# Altium PCB TwoFoot_PCB_m4T1Top2.PcbDoc (part 2 of 9) (continued)
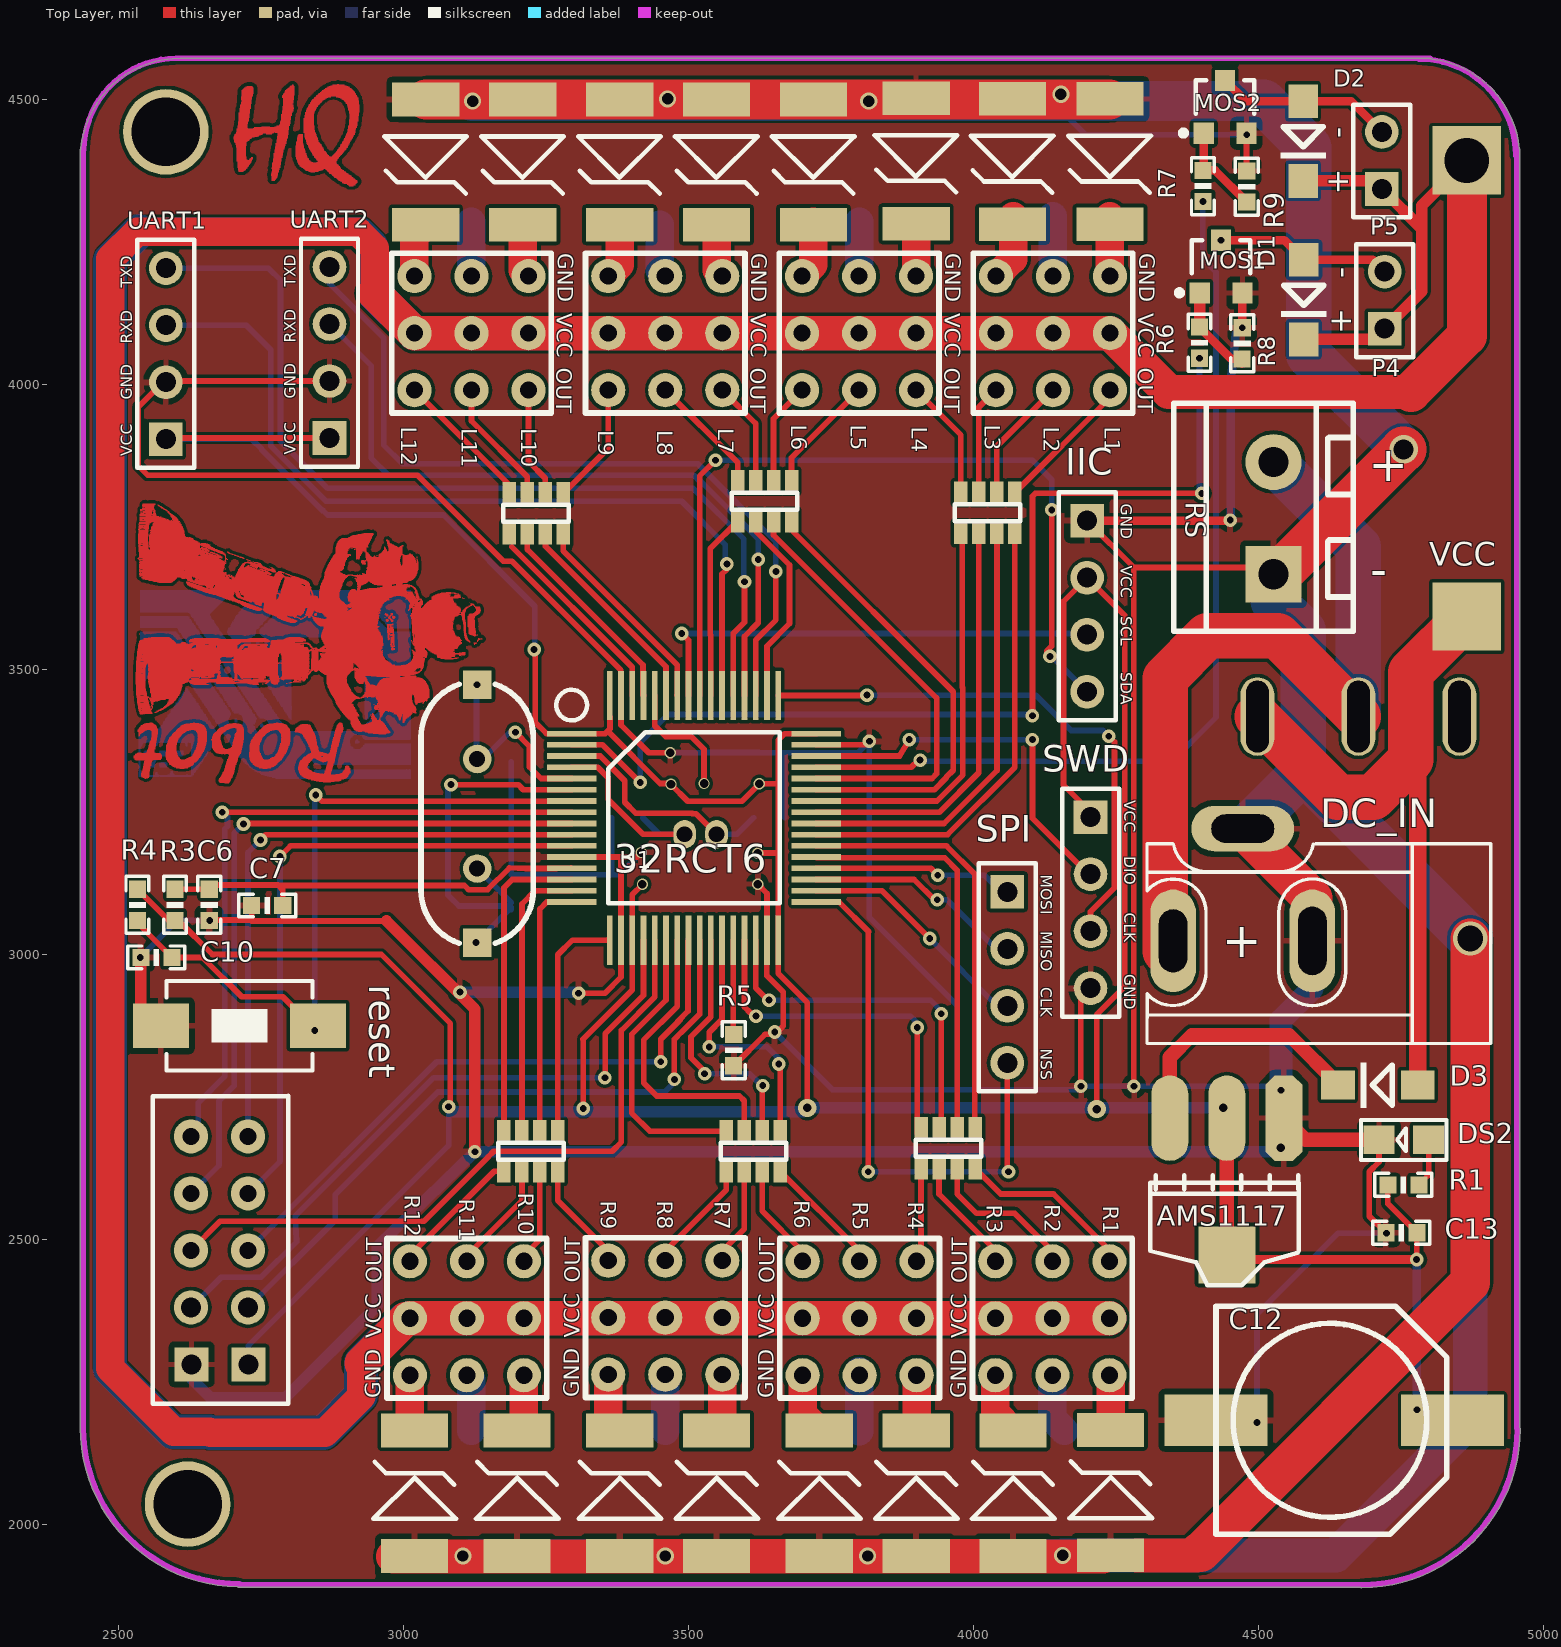
[diagram p0: Top Layer view]
## Nets (pads, with @x,y where several pads share a name; then routed paths per layer and width w, separated by ;. In a path a pad name is that pad's centre, name@x,y a point inside that pad or via, vN(x,y) a via of type N, cw(c..) or ccw(c..) an arc to the next point about the centre after c; other vN are vias at no path point) (continued)
; 2544,3500.6 2544,3509 ; 2544,3510.2 2544,3513.2 ; 2544,3515.6 2544,3519.8 ; 2544,3521 2544,3525.2 ; 2544,3526.4 2544,3530.6 ; 2544,3531.8 2544,3533 ; 2544,3534.2 2544,3537.8 ; 2544,3539 2544,3541.4 ; 2544,3542 2544,3546.8 ; 2544,3547.4 2544,3551.6 ; 2544,3663.2 2544,3666.2 ; 2544,3669.2 2544,3671.6 ; 2544,3675.2 2544,3680.6 ; 2544,3684.2 2544,3686 ; 2544,3686.6 2544,3687.2 ; 2544,3688.4 2544,3691.4 ; 2544,3695.6 2544,3697.4 ; 2544,3698.6 2544,3699.2 ; 2544,3700.4 2544,3701 ; 2544,3705.8 2544,3710 ; 2544,3711.2 2544,3713.6 ; 2544,3714.8 2544,3716.6 ; 2544,3718.4 2544,3719.6 ; 2544,3721.4 2544,3723.2 ; 2544,3724.4 2544,3726.8 ; 2544,3728 2544,3729.8 ; 2544,3731 2544,3733.4 ; 2544,3734.6 2544,3737 ; 2544,3738.2 2544,3744.2 ; 2544,3746 2544,3747.2 ; 2544,3748.4 2544,3750.2 ; 2544,3751.4 2544,3753.2 ; 2544,3755 2544,3758.6 ; 2544,3760.4 2544,3762.8 ; 2544,3765.2 2544,3767.6 ; 2544,3769.4 2544,3770 ; 2544,3770.6 2544,3775.4 ; 2544,3777.2 2544,3777.8 ; 2544,3779.6 2544,3782 ; 2544,3783.2 2544,3784.4 ; 2544,3785 2544,3789.8 ; 2544.6,3423.2 2544.6,3425 ; 2544.6,3428.6 2544.6,3431 ; 2544.6,3434.6 2544.6,3435.8 ; 2544.6,3440.6 2544.6,3441.8 ; 2544.6,3443.6 2544.6,3444.2 ; 2544.6,3444.8 2544.6,3447.2 ; 2544.6,3450.2 2544.6,3453.2 ; 2544.6,3454.4 2544.6,3455 ; 2544.6,3455.6 2544.6,3458 ; 2544.6,3462.2 2544.6,3463.4 ; 2544.6,3466.4 2544.6,3469.4 ; 2544.6,3471.8 2544.6,3473 ; 2544.6,3473.6 2544.6,3474.8 ; 2544.6,3477.2 2544.6,3479.6 ; 2544.6,3482.6 2544.6,3485.6 ; 2544.6,3488 2544.6,3490.4 ; 2544.6,3493.4 2544.6,3495.2 ; 2544.6,3498.8 2544.6,3509 ; 2544.6,3510.2 2544.6,3513.2 ; 2544.6,3515.6 2544.6,3516.2 ; 2544.6,3516.8 2544.6,3519.8 ; 2544.6,3523.4 2544.6,3525.2 ; 2544.6,3528.8 2544.6,3530.6 ; 2544.6,3532.4 2544.6,3533 ; 2544.6,3533.6 2544.6,3534.8 ; 2544.6,3535.4 2544.6,3536 ; 2544.6,3539 2544.6,3540.8 ; 2544.6,3545.6 2544.6,3546.2 ; 2544.6,3551 2544.6,3552.2 ; 2544.6,3658.4 2544.6,3660.8 ; 2544.6,3661.4 2544.6,3679.4 ; 2544.6,3680 2544.6,3681.8 ; 2544.6,3682.4 2544.6,3687.8 ; 2544.6,3688.4 2544.6,3692 ; 2544.6,3692.6 2544.6,3698 ; 2544.6,3698.6 2544.6,3702.8 ; 2544.6,3704 2544.6,3710.6 ; 2544.6,3711.2 2544.6,3713.6 ; 2544.6,3714.2 2544.6,3717.2 ; 2544.6,3717.8 2544.6,3720.2 ; 2544.6,3720.8 2544.6,3726.8 ; 2544.6,3727.4 2544.6,3729.8 ; 2544.6,3730.4 2544.6,3744.2 ; 2544.6,3746 2544.6,3746.6 ; 2544.6,3748.4 2544.6,3749.6 ; 2544.6,3752.6 2544.6,3753.2 ; 2544.6,3755 2544.6,3758.6 ; 2544.6,3760.4 2544.6,3762.8 ; 2544.6,3765.2 2544.6,3765.8 ; 2544.6,3766.4 2544.6,3767.6 ; 2544.6,3769.4 2544.6,3775.4 ; 2544.6,3777.2 2544.6,3777.8 ; 2544.6,3779.6 2544.6,3780.8 ; 2544.6,3781.4 2544.6,3782 ; 2544.6,3782.6 2544.6,3783.8 ; 2544.6,3784.4 2544.6,3790.4 ; 2545.2,3422 2545.2,3426.2 ; 2545.2,3428 2545.2,3429.8 ; 2545.2,3430.4 2545.2,3432.2 ; 2545.2,3434 2545.2,3435.8 ; 2545.2,3440.6 2545.2,3441.8 ; 2545.2,3443 2545.2,3447.2 ; 2545.2,3449 2545.2,3453.2 ; 2545.2,3455 2545.2,3458.6 ; 2545.2,3461 2545.2,3462.2 ; 2545.2,3462.8 2545.2,3464 ; 2545.2,3466.4 2545.2,3469.4 ; 2545.2,3471.2 2545.2,3473 ; 2545.2,3473.6 2545.2,3474.8 ; 2545.2,3476 2545.2,3479.6 ; 2545.2,3481.4 2545.2,3483.8 ; 2545.2,3484.4 2545.2,3485.6 ; 2545.2,3487.4 2545.2,3491 ; 2545.2,3492.8 2545.2,3495.8 ; 2545.2,3498.2 2545.2,3509 ; 2545.2,3510.2 2545.2,3512.6 ; 2545.2,3513.2 2545.2,3513.8 ; 2545.2,3515.6 2545.2,3518.6 ; 2545.2,3519.2 2545.2,3521 ; 2545.2,3522.8 2545.2,3524 ; 2545.2,3524.6 2545.2,3526.4 ; 2545.2,3528.2 2545.2,3529.4 ; 2545.2,3530 2545.2,3531.2 ; 2545.2,3533 2545.2,3536 ; 2545.2,3539 2545.2,3540.8 ; 2545.2,3545.6 2545.2,3546.2 ; 2545.2,3551 2545.2,3552.2 ; 2545.2,3658.4 2545.2,3666.2 ; 2545.2,3666.8 2545.2,3683 ; 2545.2,3683.6 2545.2,3698 ; 2545.2,3698.6 2545.2,3699.2 ; 2545.2,3699.8 2545.2,3722 ; 2545.2,3722.6 2545.2,3725 ; 2545.2,3725.6 2545.2,3740.6 ; 2545.2,3741.2 2545.2,3744.2 ; 2545.2,3746 2545.2,3746.6 ; 2545.2,3749 2545.2,3749.6 ; 2545.2,3752 2545.2,3753.2 ; 2545.2,3755 2545.2,3758.6 ; 2545.2,3760.4 2545.2,3761 ; 2545.2,3761.6 2545.2,3762.2 ; 2545.2,3764 2545.2,3765.2 ; 2545.2,3765.8 2545.2,3766.4 ; 2545.2,3767 2545.2,3767.6 ; 2545.2,3769.4 2545.2,3777.8 ; 2545.2,3779.6 2545.2,3780.8 ; 2545.2,3782 2545.2,3783.2 ; 2545.2,3784.4 2545.2,3791 ; 2545.8,3421.4 2545.8,3431 ; 2545.8,3431.6 2545.8,3449 ; 2545.8,3449.6 2545.8,3454.4 ; 2545.8,3455 2545.8,3470 ; 2545.8,3470.6 2545.8,3481.4 ; 2545.8,3482 2545.8,3486.8 ; 2545.8,3487.4 2545.8,3500 ; 2545.8,3500.6 2545.8,3503 ; 2545.8,3503.6 2545.8,3554.6 ; 2545.8,3659 2545.8,3660.8 ; 2545.8,3661.4 2545.8,3663.2 ; 2545.8,3663.8 2545.8,3669.2 ; 2545.8,3669.8 2545.8,3671.6 ; 2545.8,3672.2 2545.8,3687.2 ; 2545.8,3689 2545.8,3697.4 ; 2545.8,3698.6 2545.8,3711.2 ; 2545.8,3711.8 2545.8,3722.6 ; 2545.8,3723.2 2545.8,3723.8 ; 2545.8,3724.4 2545.8,3726.2 ; 2545.8,3727.4 2545.8,3733.4 ; 2545.8,3734 2545.8,3734.6 ; 2545.8,3735.2 2545.8,3740.6 ; 2545.8,3741.2 2545.8,3744.2 ; 2545.8,3746 2545.8,3746.6 ; 2545.8,3747.8 2545.8,3749.6 ; 2545.8,3751.4 2545.8,3753.2 ; 2545.8,3755 2545.8,3758 ; 2545.8,3761 2545.8,3762.2 ; 2545.8,3763.4 2545.8,3765.2 ; 2545.8,3766.4 2545.8,3768.2 ; 2545.8,3769.4 2545.8,3770 ; 2545.8,3770.6 2545.8,3773.6 ; 2545.8,3779.6 2545.8,3780.8 ; 2545.8,3782 2545.8,3783.2 ; 2545.8,3784.4 2545.8,3791 ; 2546.4,3422 2546.4,3554.6 ; 2546.4,3658.4 2546.4,3696.8 ; 2546.4,3698 2546.4,3744.2 ; 2546.4,3746 2546.4,3746.6 ; 2546.4,3747.8 2546.4,3749 ; 2546.4,3751.4 2546.4,3753.2 ; 2546.4,3755 2546.4,3758.6 ; 2546.4,3760.4 2546.4,3761.6 ; 2546.4,3766.4 2546.4,3767.6 ; 2546.4,3769.4 2546.4,3773.6 ; 2546.4,3774.8 2546.4,3777.2 ; 2546.4,3779.6 2546.4,3780.8 ; 2546.4,3782 2546.4,3783.2 ; 2546.4,3784.4 2546.4,3791 ; 2547,3422 2547,3482.6 ; 2547,3483.8 2547,3488.6 ; 2547,3489.2 2547,3550.4 ; 2547,3551 2547,3554 ; 2547,3658.4 2547,3744.2 ; 2547,3746 2547,3746.6 ; 2547,3747.8 2547,3748.4 ; 2547,3749 2547,3749.6 ; 2547,3750.8 2547,3753.2 ; 2547,3755 2547,3758.6 ; 2547,3760.4 2547,3761.6 ; 2547,3762.2 2547,3763.4 ; 2547,3764 2547,3764.6 ; 2547,3766.4 2547,3767.6 ; 2547,3769.4 2547,3773.6 ; 2547,3774.8 2547,3776 ; 2547,3777.2 2547,3777.8 ; 2547,3779.6 2547,3780.8 ; 2547,3782 2547,3783.2 ; 2547,3784.4 2547,3791 ; 2547.6,3422 2547.6,3554.6 ; 2547.6,3658.4 2547.6,3744.2 ; 2547.6,3746 2547.6,3753.2 ; 2547.6,3755.6 2547.6,3758.6 ; 2547.6,3760.4 2547.6,3764.6 ; 2547.6,3765.2 2547.6,3767.6 ; 2547.6,3769.4 2547.6,3773.6 ; 2547.6,3774.8 2547.6,3777.8 ; 2547.6,3779.6 2547.6,3780.8 ; 2547.6,3785 2547.6,3791 ; 2548.2,3422 2548.2,3471.8 ; 2548.2,3474.2 2548.2,3474.8 ; 2548.2,3496.4 2548.2,3497 ; 2548.2,3498.2 2548.2,3554.6 ; 2548.2,3658.4 2548.2,3660.2 ; 2548.2,3660.8 2548.2,3744.2 ; 2548.2,3752.6 2548.2,3753.2 ; 2548.2,3755 2548.2,3758.6 ; 2548.2,3760.4 2548.2,3763.4 ; 2548.2,3765.8 2548.2,3768.2 ; 2548.2,3769.4 2548.2,3773.6 ; 2548.2,3777.2 2548.2,3777.8 ; 2548.2,3779.6 2548.2,3780.8 ; 2548.2,3782 2548.2,3783.2 ; 2548.2,3784.4 2548.2,3791 ; 2548.8,3422 2548.8,3464 ; 2548.8,3464.6 2548.8,3465.8 ; 2548.8,3504.2 2548.8,3555.2 ; 2548.8,3657.8 2548.8,3744.8 ; 2548.8,3747.2 2548.8,3749.6 ; 2548.8,3750.2 2548.8,3752 ; 2548.8,3752.6 2548.8,3753.2 ; 2548.8,3755 2548.8,3758.6 ; 2548.8,3762.8 2548.8,3764.6 ; 2548.8,3765.2 2548.8,3768.2 ; 2548.8,3769.4 2548.8,3772.4 ; 2548.8,3773 2548.8,3773.6 ; 2548.8,3774.8 2548.8,3780.2 ; 2548.8,3780.8 2548.8,3791 ; 2549.4,3422 2549.4,3462.2 ; 2549.4,3507.8 2549.4,3555.2 ; 2549.4,3657.8 2549.4,3770.6 ; 2549.4,3771.2 2549.4,3775.4 ; 2549.4,3776 2549.4,3777.8 ; 2549.4,3778.4 2549.4,3790.4 ; 2550,3422 2550,3459.2 ; 2550,3509.6 2550,3555.2 ; 2550,3657.8 2550,3743 ; 2550,3743.6 2550,3756.8 ; 2550,3757.4 2550,3790.4 ; 2550.6,3422.6 2550.6,3456.2 ; 2550.6,3512 2550.6,3555.2 ; 2550.6,3657.8 2550.6,3743.6 ; 2550.6,3744.2 2550.6,3744.8 ; 2550.6,3745.4 2550.6,3746.6 ; 2550.6,3747.2 2550.6,3790.4 ; 2551.2,3422.6 2551.2,3453.2 ; 2551.2,3512.6 2551.2,3555.2 ; 2551.2,3657.2 2551.2,3790.4 ; 2551.8,3422.6 2551.8,3450.2 ; 2551.8,3450.8 2551.8,3452.6 ; 2551.8,3512 2551.8,3555.2 ; 2551.8,3657.2 2551.8,3790.4 ; 2552.4,3422.6 2552.4,3449 ; 2552.4,3510.8 2552.4,3555.2 ; 2552.4,3657.2 2552.4,3790.4 ; 2553,3422.6 2553,3445.4 ; 2553,3450.2 2553,3452 ; 2553,3483.8 2553,3488.6 ; 2553,3509 2553,3555.2 ; 2553,3657.2 2553,3717.2 ; 2553,3740.6 2553,3790.4 ; 2553.6,3422.6 2553.6,3443 ; 2553.6,3450.2 2553.6,3452 ; 2553.6,3488.6 2553.6,3494 ; 2553.6,3499.4 2553.6,3501.2 ; 2553.6,3507.2 2553.6,3555.8 ; 2553.6,3656.6 2553.6,3710.6 ; 2553.6,3746.6 2553.6,3790.4 ; 2554.2,3422.6 2554.2,3441.8 ; 2554.2,3444.8 2554.2,3445.4 ; 2554.2,3450.2 2554.2,3450.8 ; 2554.2,3477.2 2554.2,3479 ; 2554.2,3481.4 2554.2,3483.8 ; 2554.2,3488.6 2554.2,3491 ; 2554.2,3493.4 2554.2,3494.6 ; 2554.2,3498.2 2554.2,3501.8 ; 2554.2,3504.2 2554.2,3555.8 ; 2554.2,3656.6 2554.2,3707.6 ; 2554.2,3751.4 2554.2,3790.4 ; 2554.8,3422.6 2554.8,3438.8 ; 2554.8,3474.2 2554.8,3497 ; 2554.8,3498.2 2554.8,3503 ; 2554.8,3503.6 2554.8,3555.8 ; 2554.8,3656.6 2554.8,3704.6 ; 2554.8,3716.6 2554.8,3723.8 ; 2554.8,3733.4 2554.8,3738.2 ; 2554.8,3753.8 2554.8,3790.4 ; 2555.4,3422.6 2555.4,3436.4 ; 2555.4,3443 2555.4,3443.6 ; 2555.4,3450.2 2555.4,3450.8 ; 2555.4,3474.2 2555.4,3497.6 ; 2555.4,3498.2 2555.4,3500.6 ; 2555.4,3501.2 2555.4,3555.8 ; 2555.4,3657.2 2555.4,3701.6 ; 2555.4,3704.6 2555.4,3705.2 ; 2555.4,3707 2555.4,3708.2 ; 2555.4,3709.4 2555.4,3710 ; 2555.4,3728.6 2555.4,3733.4 ; 2555.4,3743 2555.4,3743.6 ; 2555.4,3757.4 2555.4,3790.4 ; 2556,3422.6 2556,3435.2 ; 2556,3447.8 2556,3450.8 ; 2556,3468.8 2556,3469.4 ; 2556,3470.6 2556,3501.8 ; 2556,3503 2556,3555.8 ; 2556,3656 2556,3709.4 ; 2556,3714.2 2556,3716.6 ; 2556,3718.4 2556,3719 ; 2556,3720.8 2556,3727.4 ; 2556,3729.8 2556,3735.2 ; 2556,3756.8 2556,3790.4 ; 2556.6,3422.6 2556.6,3433.4 ; 2556.6,3447.8 2556.6,3450.2 ; 2556.6,3467.6 2556.6,3555.8 ; 2556.6,3656 2556.6,3709.4 ; 2556.6,3714.2 2556.6,3716.6 ; 2556.6,3717.8 2556.6,3732.2 ; 2556.6,3733.4 2556.6,3735.8 ; 2556.6,3756.8 2556.6,3790.4 ; 2557.2,3422.6 2557.2,3431 ; 2557.2,3446.6 2557.2,3450.2 ; 2557.2,3459.2 2557.2,3459.8 ; 2557.2,3464.6 2557.2,3555.8 ; 2557.2,3656 2557.2,3704.6 ; 2557.2,3709.4 2557.2,3717.2 ; 2557.2,3717.8 2557.2,3732.2 ; 2557.2,3733.4 2557.2,3738.2 ; 2557.2,3757.4 2557.2,3790.4 ; 2557.8,3422.6 2557.8,3429.2 ; 2557.8,3445.4 2557.8,3450.2 ; 2557.8,3459.2 2557.8,3555.8 ; 2557.8,3656 2557.8,3738.2 ; 2557.8,3740 2557.8,3741.2 ; 2557.8,3743 2557.8,3744.2 ; 2557.8,3758 2557.8,3767 ; 2557.8,3767.6 2557.8,3790.4 ; 2558.4,3422.6 2558.4,3428 ; 2558.4,3434.6 2558.4,3435.8 ; 2558.4,3442.4 2558.4,3450.2 ; 2558.4,3458.6 2558.4,3555.8 ; 2558.4,3655.4 2558.4,3738.2 ; 2558.4,3739.4 2558.4,3741.8 ; 2558.4,3743 2558.4,3744.8 ; 2558.4,3758.6 2558.4,3765.8 ; 2558.4,3768.8 2558.4,3790.4 ; 2559,3422.6 2559,3425 ; 2559,3429.2 2559,3431 ; 2559,3435.8 2559,3437 ; 2559,3439.4 2559,3440.6 ; 2559,3441.8 2559,3450.2 ; 2559,3455 2559,3555.8 ; 2559,3655.4 2559,3742.4 ; 2559,3743 2559,3745.4 ; 2559,3747.2 2559,3747.8 ; 2559,3758.6 2559,3765.8 ; 2559,3767 2559,3770 ; 2559,3771.8 2559,3790.4 ; 2559.6,3422.6 2559.6,3423.8 ; 2559.6,3430.4 2559.6,3431 ; 2559.6,3435.8 2559.6,3437.6 ; 2559.6,3438.8 2559.6,3440.6 ; 2559.6,3441.2 2559.6,3450.2 ; 2559.6,3452.6 2559.6,3556.4 ; 2559.6,3655.4 2559.6,3747.8 ; 2559.6,3749 2559.6,3750.2 ; 2559.6,3758.6 2559.6,3770 ; 2559.6,3771.8 2559.6,3772.4 ; 2559.6,3774.2 2559.6,3790.4 ; 2560.2,3422.6 2560.2,3423.8 ; 2560.2,3431 2560.2,3432.8 ; 2560.2,3435.8 2560.2,3437.6 ; 2560.2,3438.8 2560.2,3440.6 ; 2560.2,3441.2 2560.2,3556.4 ; 2560.2,3655.4 2560.2,3747.8 ; 2560.2,3748.4 2560.2,3750.8 ; 2560.2,3758.6 2560.2,3770 ; 2560.2,3771.8 2560.2,3772.4 ; 2560.2,3776.6 2560.2,3790.4 ; 2560.8,3432.8 2560.8,3435.8 ; 2560.8,3438.2 2560.8,3556.4 ; 2560.8,3655.4 2560.8,3751.4 ; 2560.8,3759.2 2560.8,3770 ; 2560.8,3779 2560.8,3790.4 ; 2561.4,3438.2 2561.4,3556.4 ; 2561.4,3654.8 2561.4,3751.4 ; 2561.4,3759.8 2561.4,3770.6 ; 2561.4,3771.8 2561.4,3772.4 ; 2561.4,3779.6 2561.4,3790.4 ; 2562,3441.2 2562,3556.4 ; 2562,3654.8 2562,3755.6 ; 2562,3759.8 2562,3773.6 ; 2562,3780.8 2562,3781.4 ; 2562,3782 2562,3790.4 ; 2562.6,3443.6 2562.6,3556.4 ; 2562.6,3654.8 2562.6,3756.2 ; 2562.6,3759.2 2562.6,3775.4 ; 2562.6,3776.6 2562.6,3777.2 ; 2562.6,3780.8 2562.6,3781.4 ; 2562.6,3783.2 2562.6,3790.4 ; 2563.2,3444.2 2563.2,3556.4 ; 2563.2,3654.8 2563.2,3778.4 ; 2563.2,3780.2 2563.2,3781.4 ; 2563.2,3786.2 2563.2,3790.4 ; 2563.8,3443.6 2563.8,3556.4 ; 2563.8,3654.2 2563.8,3782 ; 2563.8,3788 2563.8,3790.4 ; 2564.4,3443.6 2564.4,3556.4 ; 2564.4,3654.2 2564.4,3780.2 ; 2564.4,3789.2 2564.4,3790.4 ; 2565,3423.8 2565,3424.4 ; 2565,3445.4 2565,3556.4 ; 2565,3654.2 2565,3779.6 ; 2565,3789.2 2565,3790.4 ; 2565.6,3424.4 2565.6,3425 ; 2565.6,3444.2 2565.6,3557 ; 2565.6,3654.2 2565.6,3657.8 ; 2565.6,3658.4 2565.6,3775.4 ; 2565.6,3776.6 2565.6,3777.8 ; 2566.2,3424.4 2566.2,3425 ; 2566.2,3444.2 2566.2,3557 ; 2566.2,3654.2 2566.2,3774.2 ; 2566.8,3424.4 2566.8,3425.6 ; 2566.8,3444.2 2566.8,3557 ; 2566.8,3653.6 2566.8,3771.8 ; 2567.4,3424.4 2567.4,3425.6 ; 2567.4,3444.2 2567.4,3557 ; 2567.4,3653.6 2567.4,3768.2 ; 2568,3425 2568,3426.2 ; 2568,3444.2 2568,3557 ; 2568,3653.6 2568,3768.2 ; 2568.6,3425 2568.6,3426.8 ; 2568.6,3444.2 2568.6,3557 ; 2568.6,3653.6 2568.6,3768.8 ; 2569.2,3425.6 2569.2,3427.4 ; 2569.2,3444.2 2569.2,3557 ; 2569.2,3653.6 2569.2,3768.2 ; 2569.8,3425.6 2569.8,3427.4 ; 2569.8,3444.2 2569.8,3445.4 ; 2569.8,3446 2569.8,3557 ; 2569.8,3653 2569.8,3657.8 ; 2569.8,3658.4 2569.8,3768.2 ; 2569.8,3788.6 2569.8,3789.2 ; 2570.4,3426.2 2570.4,3428 ; 2570.4,3445.4 2570.4,3551.6 ; 2570.4,3552.8 2570.4,3557 ; 2570.4,3653 2570.4,3768.8 ; 2570.4,3788 2570.4,3788.6 ; 2571,3426.2 2571,3428 ; 2571,3444.8 2571,3557 ; 2571,3653 2571,3768.8 ; 2571.6,3426.8 2571.6,3428.6 ; 2571.6,3444.8 2571.6,3445.4 ; 2571.6,3446 2571.6,3557 ; 2571.6,3653 2571.6,3768.8 ; 2571.6,3787.4 2571.6,3788 ; 2572.2,3427.4 2572.2,3429.2 ; 2572.2,3444.8 2572.2,3445.4 ; 2572.2,3446 2572.2,3557 ; 2572.2,3652.4 2572.2,3768.2 ; 2572.2,3786.8 2572.2,3788 ; 2572.8,3427.4 2572.8,3429.2 ; 2572.8,3446 2572.8,3557 ; 2572.8,3652.4 2572.8,3767 ; 2572.8,3786.2 2572.8,3787.4 ; 2573.4,3427.4 2573.4,3429.2 ; 2573.4,3446 2573.4,3557 ; 2573.4,3652.4 2573.4,3766.4 ; 2573.4,3786.2 2573.4,3786.8 ; 2574,3428 2574,3429.8 ; 2574,3446 2574,3557 ; 2574,3652.4 2574,3766.4 ; 2574,3785.6 2574,3786.8 ; 2574.6,3428 2574.6,3429.8 ; 2574.6,3446.6 2574.6,3557 ; 2574.6,3652.4 2574.6,3766.4 ; 2574.6,3785 2574.6,3786.8 ; 2575.2,3428 2575.2,3430.4 ; 2575.2,3446.6 2575.2,3557 ; 2575.2,3652.4 2575.2,3766.4 ; 2575.2,3767 2575.2,3767.6 ; 2575.2,3784.4 2575.2,3786.2 ; 2575.8,3428.6 2575.8,3431 ; 2575.8,3446.6 2575.8,3557 ; 2575.8,3652.4 2575.8,3659.6 ; 2575.8,3660.2 2575.8,3766.4 ; 2575.8,3767 2575.8,3767.6 ; 2575.8,3784.4 2575.8,3786.2 ; 2576.4,3428.6 2576.4,3431 ; 2576.4,3446.6 2576.4,3557 ; 2576.4,3652.4 2576.4,3766.4 ; 2576.4,3783.8 2576.4,3785.6 ; 2577,3429.2 2577,3431 ; 2577,3446.6 2577,3557 ; 2577,3652.4 2577,3657.2 ; 2577,3657.8 2577,3766.4 ; 2577,3783.2 2577,3785 ; 2577.6,3429.2 2577.6,3431.6 ; 2577.6,3446.6 2577.6,3547.4 ; 2577.6,3548 2577.6,3557 ; 2577.6,3652.4 2577.6,3657.2 ; 2577.6,3657.8 2577.6,3660.8 ; 2577.6,3661.4 2577.6,3765.8 ; 2577.6,3783.2 2577.6,3784.4 ; 2578.2,3429.8 2578.2,3432.2 ; 2578.2,3446.6 2578.2,3546.8 ; 2578.2,3547.4 2578.2,3557 ; 2578.2,3652.4 2578.2,3765.8 ; 2578.2,3782.6 2578.2,3784.4 ; 2578.8,3429.8 2578.8,3432.2 ; 2578.8,3447.2 2578.8,3557 ; 2578.8,3652.4 2578.8,3656.6 ; 2578.8,3657.2 2578.8,3765.8 ; 2578.8,3782.6 2578.8,3783.8 ; 2579.4,3430.4 2579.4,3432.2 ; 2579.4,3447.2 2579.4,3557 ; 2579.4,3652.4 2579.4,3765.8 ; 2579.4,3782 2579.4,3783.8 ; 2580,3430.4 2580,3432.8 ; 2580,3446.6 2580,3557 ; 2580,3652.4 2580,3662.6 ; 2580,3663.2 2580,3765.2 ; 2580,3782 2580,3783.2 ; 2580.6,3431 2580.6,3433.4 ; 2580.6,3447.2 2580.6,3557 ; 2580.6,3652.4 2580.6,3663.2 ; 2580.6,3663.8 2580.6,3765.2 ; 2580.6,3781.4 2580.6,3782.6 ; 2581.2,3431 2581.2,3432.2 ; 2581.2,3432.8 2581.2,3434 ; 2581.2,3447.8 2581.2,3557 ; 2581.2,3652.4 2581.2,3764.6 ; 2581.2,3780.8 2581.2,3782 ; 2581.8,3431.6 2581.8,3434.6 ; 2581.8,3447.8 2581.8,3557 ; 2581.8,3652.4 2581.8,3663.8 ; 2581.8,3664.4 2581.8,3765.2 ; 2581.8,3780.8 2581.8,3782 ; 2582.4,3432.2 2582.4,3435.2 ; 2582.4,3447.2 2582.4,3556.4 ; 2582.4,3652.4 2582.4,3764.6 ; 2582.4,3780.2 2582.4,3781.4 ; 2583,3432.2 2583,3433.4 ; 2583,3434 2583,3435.8 ; 2583,3447.2 2583,3556.4 ; 2583,3652.4 2583,3764 ; 2583,3780.2 2583,3781.4 ; 2583.6,3432.8 2583.6,3434 ; 2583.6,3434.6 2583.6,3436.4 ; 2583.6,3447.8 2583.6,3556.4 ; 2583.6,3652.4 2583.6,3763.4 ; 2583.6,3779.6 2583.6,3780.8 ; 2584.2,3433.4 2584.2,3437 ; 2584.2,3449 2584.2,3556.4 ; 2584.2,3652.4 2584.2,3764.6 ; 2584.2,3779 2584.2,3780.8 ; 2584.8,3434 2584.8,3434.6 ; 2584.8,3435.2 2584.8,3437.6 ; 2584.8,3448.4 2584.8,3556.4 ; 2584.8,3652.4 2584.8,3763.4 ; 2584.8,3779 2584.8,3780.2 ; 2585.4,3434 2585.4,3435.2 ; 2585.4,3435.8 2585.4,3438.2 ; 2585.4,3448.4 2585.4,3556.4 ; 2585.4,3652.4 2585.4,3762.8 ; 2585.4,3778.4 2585.4,3779.6 ; 2586,3434.6 2586,3438.8 ; 2586,3449 2586,3556.4 ; 2586,3652.4 2586,3762.8 ; 2586,3777.8 2586,3779.6 ; 2586.6,3435.2 2586.6,3439.4 ; 2586.6,3449.6 2586.6,3556.4 ; 2586.6,3652.4 2586.6,3655.4 ; 2586.6,3656 2586.6,3762.8 ; 2586.6,3777.8 2586.6,3779 ; 2587.2,3435.8 2587.2,3440.6 ; 2587.2,3449.6 2587.2,3553.4 ; 2587.2,3554 2587.2,3557 ; 2587.2,3652.4 2587.2,3763.4 ; 2587.2,3777.2 2587.2,3778.4 ; 2587.8,3435.8 2587.8,3438.8 ; 2587.8,3439.4 2587.8,3441.8 ; 2587.8,3449.6 2587.8,3557 ; 2587.8,3652.4 2587.8,3763.4 ; 2587.8,3776.6 2587.8,3777.8 ; 2588.4,3435.8 2588.4,3443 ; 2588.4,3449 2588.4,3556.4 ; 2588.4,3652.4 2588.4,3762.8 ; 2588.4,3775.4 2588.4,3777.2 ; 2589,3436.4 2589,3443.6 ; 2589,3449 2589,3556.4 ; 2589,3652.4 2589,3762.2 ; 2589,3775.4 2589,3777.2 ; 2589.6,3437 2589.6,3444.8 ; 2589.6,3449.6 2589.6,3528.8 ; 2589.6,3529.4 2589.6,3531.2 ; 2589.6,3531.8 2589.6,3553.4 ; 2589.6,3554 2589.6,3556.4 ; 2589.6,3652.4 2589.6,3676.4 ; 2589.6,3677 2589.6,3761.6 ; 2589.6,3774.2 2589.6,3776.6 ; 2590.2,3437 2590.2,3446 ; 2590.2,3447.8 2590.2,3449 ; 2590.2,3450.2 2590.2,3450.8 ; 2590.2,3451.4 2590.2,3528.8 ; 2590.2,3529.4 2590.2,3556.4 ; 2590.2,3652.4 2590.2,3673.4 ; 2590.2,3674 2590.2,3674.6 ; 2590.2,3675.2 2590.2,3677.6 ; 2590.2,3678.2 2590.2,3761 ; 2590.2,3773.6 2590.2,3776 ; 2590.8,3437.6 2590.8,3447.2 ; 2590.8,3449.6 2590.8,3450.2 ; 2590.8,3451.4 2590.8,3527.6 ; 2590.8,3528.2 2590.8,3551.6 ; 2590.8,3552.2 2590.8,3555.8 ; 2590.8,3652.4 2590.8,3656 ; 2590.8,3656.6 2590.8,3675.2 ; 2590.8,3675.8 2590.8,3761 ; 2590.8,3773 2590.8,3773.6 ; 2590.8,3774.2 2590.8,3775.4 ; 2591.4,3438.2 2591.4,3446.6 ; 2591.4,3447.2 2591.4,3449 ; 2591.4,3450.2 2591.4,3528.8 ; 2591.4,3530 2591.4,3552.2 ; 2591.4,3552.8 2591.4,3555.2 ; 2591.4,3652.4 2591.4,3654.8 ; 2591.4,3655.4 2591.4,3656.6 ; 2591.4,3657.2 2591.4,3761 ; 2591.4,3772.4 2591.4,3774.2 ; 2592,3438.2 2592,3451.4 ; 2592,3452.6 2592,3555.2 ; 2592,3652.4 2592,3674.6 ; 2592,3675.2 2592,3761 ; 2592,3771.2 2592,3774.2 ; 2592.6,3438.8 2592.6,3552.8 ; 2592.6,3553.4 2592.6,3554.6 ; 2592.6,3652.4 2592.6,3761 ; 2592.6,3770.6 2592.6,3774.2 ; 2593.2,3439.4 2593.2,3554 ; 2593.2,3652.4 2593.2,3677 ; 2593.2,3677.6 2593.2,3761 ; 2593.2,3769.4 2593.2,3773.6 ; 2593.8,3440 2593.8,3454.4 ; 2593.8,3455 2593.8,3553.4 ; 2593.8,3652.4 2593.8,3761 ; 2593.8,3768.2 2593.8,3773 ; 2594.4,3440 2594.4,3552.8 ; 2594.4,3653 2594.4,3654.2 ; 2594.4,3654.8 2594.4,3681.2 ; 2594.4,3681.8 2594.4,3758.6 ; 2594.4,3759.8 2594.4,3761.6 ; 2594.4,3767 2594.4,3772.4 ; 2595,3440.6 2595,3548.6 ; 2595,3549.2 2595,3552.2 ; 2595,3653 2595,3680 ; 2595,3680.6 2595,3760.4 ; 2595,3765.8 2595,3772.4 ; 2595.6,3441.2 2595.6,3548 ; 2595.6,3548.6 2595.6,3551.6 ; 2595.6,3653.6 2595.6,3655.4 ; 2595.6,3656 2595.6,3680.6 ; 2595.6,3681.2 2595.6,3681.8 ; 2595.6,3682.4 2595.6,3683.6 ; 2595.6,3684.2 2595.6,3758.6 ; 2595.6,3761.6 2595.6,3762.2 ; 2595.6,3764 2595.6,3771.8 ; 2596.2,3441.8 2596.2,3551 ; 2596.2,3654.2 2596.2,3757.4 ; 2596.2,3758 2596.2,3760.4 ; 2596.2,3762.8 2596.2,3771.2 ; 2596.8,3441.8 2596.8,3548.6 ; 2596.8,3549.2 2596.8,3551 ; 2596.8,3654.8 2596.8,3684.8 ; 2596.8,3685.4 2596.8,3759.2 ; 2596.8,3761 2596.8,3770.6 ; 2597.4,3442.4 2597.4,3550.4 ; 2597.4,3655.4 2597.4,3685.4 ; 2597.4,3686 2597.4,3687.2 ; 2597.4,3687.8 2597.4,3770.6 ; 2598,3443 2598,3545.6 ; 2598,3546.2 2598,3549.8 ; 2598,3656 2598,3770 ; 2598.6,3444.2 2598.6,3549.2 ; 2598.6,3656 2598.6,3689.6 ; 2598.6,3690.8 2598.6,3770 ; 2599.2,3444.8 2599.2,3548.6 ; 2599.2,3656.6 2599.2,3658.4 ; 2599.2,3659 2599.2,3768.8 ; 2599.8,3444.8 2599.8,3545 ; 2599.8,3545.6 2599.8,3548 ; 2599.8,3657.2 2599.8,3658.4 ; 2599.8,3659.6 2599.8,3710.6 ; 2599.8,3711.8 2599.8,3768.8 ; 2600.4,3445.4 2600.4,3547.4 ; 2600.4,3657.8 2600.4,3659.6 ; 2600.4,3660.2 2600.4,3714.2 ; 2600.4,3715.4 2600.4,3768.2 ; 2601,3446.6 2601,3447.2 ; 2601,3447.8 2601,3546.8 ; 2601,3658.4 2601,3660.2 ; 2601,3660.8 2601,3662 ; 2601,3662.6 2601,3767.6 ; 2601.6,3446.6 2601.6,3447.8 ; 2601.6,3448.4 2601.6,3546.2 ; 2601.6,3659 2601.6,3660.8 ; 2601.6,3661.4 2601.6,3662.6 ; 2601.6,3663.2 2601.6,3767 ; 2602.2,3447.8 2602.2,3449 ; 2602.2,3449.6 2602.2,3545.6 ; 2602.2,3659.6 2602.2,3662.6 ; 2602.2,3663.2 2602.2,3767 ; 2602.8,3449.6 2602.8,3545 ; 2602.8,3660.2 2602.8,3765.8 ; 2603.4,3449.6 2603.4,3450.2 ; 2603.4,3451.4 2603.4,3545.6 ; 2603.4,3660.8 2603.4,3761.6 ; 2603.4,3762.2 2603.4,3765.8 ; 2604,3450.2 2604,3451.4 ; 2604,3452.6 2604,3545.6 ; 2604,3661.4 2604,3764.6 ; 2604.6,3451.4 2604.6,3545.6 ; 2604.6,3662 2604.6,3764 ; 2605.2,3452 2605.2,3545.6 ; 2605.2,3662 2605.2,3763.4 ; 2605.8,3453.8 2605.8,3455 ; 2605.8,3455.6 2605.8,3545.6 ; 2605.8,3662 2605.8,3761 ; 2605.8,3762.2 2605.8,3762.8 ; 2606.4,3453.8 2606.4,3455 ; 2606.4,3456.2 2606.4,3545.6 ; 2606.4,3662 2606.4,3760.4 ; 2607,3455 2607,3456.2 ; 2607,3457.4 2607,3545.6 ; 2607,3662 2607,3759.8 ; 2607.6,3456.8 2607.6,3458 ; 2607.6,3459.2 2607.6,3545.6 ; 2607.6,3662 2607.6,3759.2 ; 2608.2,3457.4 2608.2,3458 ; 2608.2,3459.2 2608.2,3545.6 ; 2608.2,3662 2608.2,3757.4 ; 2608.2,3759.2 2608.2,3759.8 ; 2608.8,3458.6 2608.8,3522.2 ; 2608.8,3522.8 2608.8,3545.6 ; 2608.8,3662 2608.8,3756.8 ; 2609.4,3459.8 2609.4,3471.2 ; 2609.4,3471.8 2609.4,3545.6 ; 2609.4,3662 2609.4,3756.2 ; 2610,3461.6 2610,3545.6 ; 2610,3661.4 2610,3674 ; 2610,3674.6 2610,3752 ; 2610,3752.6 2610,3755 ; 2610,3756.8 2610,3757.4 ; 2610.6,3463.4 2610.6,3545.6 ; 2610.6,3660.8 2610.6,3755 ; 2611.2,3465.2 2611.2,3546.2 ; 2611.2,3660.8 2611.2,3752 ; 2611.8,3467 2611.8,3546.8 ; 2611.8,3660.2 2611.8,3747.2 ; 2611.8,3747.8 2611.8,3751.4 ; 2611.8,3752.6 2611.8,3753.8 ; 2612.4,3470 2612.4,3546.8 ; 2612.4,3660.2 2612.4,3677.6 ; 2612.4,3678.2 2612.4,3749.6 ; 2612.4,3750.8 2612.4,3751.4 ; 2613,3473.6 2613,3547.4 ; 2613,3660.2 2613,3679.4 ; 2613,3680 2613,3751.4 ; 2613.6,3475.4 2613.6,3547.4 ; 2613.6,3659.6 2613.6,3750.2 ; 2614.2,3475.4 2614.2,3547.4 ; 2614.2,3659.6 2614.2,3735.2 ; 2614.2,3735.8 2614.2,3737 ; 2614.2,3737.6 2614.2,3747.8 ; 2614.8,3475.4 2614.8,3481.4 ; 2614.8,3482 2614.8,3493.4 ; 2614.8,3494 2614.8,3547.4 ; 2614.8,3659.6 2614.8,3746.6 ; 2615.4,3475.4 2615.4,3480.8 ; 2615.4,3537.8 2615.4,3547.4 ; 2615.4,3659 2615.4,3666.8 ; 2615.4,3669.2 2615.4,3744.8 ; 2616,3475.4 2616,3547.4 ; 2616,3659 2616,3668 ; 2616,3671.6 2616,3743 ; 2616.6,3475.4 2616.6,3547.4 ; 2616.6,3659 2616.6,3669.8 ; 2616.6,3672.2 2616.6,3672.8 ; 2616.6,3673.4 2616.6,3740 ; 2617.2,3476 2617.2,3547.4 ; 2617.2,3659.6 2617.2,3671.6 ; 2617.2,3674 2617.2,3737 ; 2617.8,3476.6 2617.8,3496.4 ; 2617.8,3497 2617.8,3533.6 ; 2617.8,3534.2 2617.8,3547.4 ; 2617.8,3659.6 2617.8,3672.2 ; 2617.8,3672.8 2617.8,3673.4 ; 2617.8,3675.8 2617.8,3733.4 ; 2618.4,3476.6 2618.4,3546.8 ; 2618.4,3660.2 2618.4,3674.6 ; 2618.4,3677.6 2618.4,3732.8 ; 2619,3476.6 2619,3546.8 ; 2619,3660.2 2619,3676.4 ; 2619,3678.8 2619,3732.8 ; 2619.6,3476.6 2619.6,3546.2 ; 2619.6,3660.2 2619.6,3678.2 ; 2619.6,3680.6 2619.6,3732.2 ; 2620.2,3477.2 2620.2,3545.6 ; 2620.2,3659.6 2620.2,3679.4 ; 2620.2,3682.4 2620.2,3732.2 ; 2620.8,3477.2 2620.8,3545 ; 2620.8,3651.8 2620.8,3653.6 ; 2620.8,3659.6 2620.8,3681.8 ; 2620.8,3683.6 2620.8,3731.6 ; 2621.4,3477.8 2621.4,3545 ; 2621.4,3650.6 2621.4,3654.2 ; 2621.4,3659 2621.4,3681.8 ; 2621.4,3682.4 2621.4,3683 ; 2621.4,3685.4 2621.4,3731.6 ; 2622,3477.8 2622,3545 ; 2622,3650 2622,3654.2 ; 2622,3657.2 2622,3684.8 ; 2622,3687.2 2622,3731.6 ; 2622.6,3478.4 2622.6,3545 ; 2622.6,3648.8 2622.6,3654.2 ; 2622.6,3656.6 2622.6,3686 ; 2622.6,3689 2622.6,3731 ; 2623.2,3478.4 2623.2,3544.4 ; 2623.2,3648.2 2623.2,3653.6 ; 2623.2,3656 2623.2,3687.8 ; 2623.2,3690.2 2623.2,3690.8 ; 2623.2,3691.4 2623.2,3731 ; 2623.8,3479 2623.8,3544.4 ; 2623.8,3648.2 2623.8,3653.6 ; 2623.8,3656 2623.8,3689.6 ; 2623.8,3692 2623.8,3731 ; 2624.4,3479.6 2624.4,3543.8 ; 2624.4,3647.6 2624.4,3653.6 ; 2624.4,3655.4 2624.4,3691.4 ; 2624.4,3693.8 2624.4,3731 ; 2625,3483.8 2625,3544.4 ; 2625,3647 2625,3653 ; 2625,3655.4 2625,3692.6 ; 2625,3695.6 2625,3731.6 ; 2625.6,3477.8 2625.6,3479.6 ; 2625.6,3485.6 2625.6,3545 ; 2625.6,3548.6 2625.6,3551 ; 2625.6,3647 2625.6,3653 ; 2625.6,3655.4 2625.6,3694.4 ; 2625.6,3696.8 2625.6,3731.6 ; 2626.2,3477.2 2626.2,3480.2 ; 2626.2,3485.6 2626.2,3545.6 ; 2626.2,3548 2626.2,3551 ; 2626.2,3646.4 2626.2,3653 ; 2626.2,3654.8 2626.2,3696.2 ; 2626.2,3698.6 2626.2,3731.6 ; 2626.8,3476.6 2626.8,3480.8 ; 2626.8,3485 2626.8,3545.6 ; 2626.8,3548 2626.8,3551.6 ; 2626.8,3645.8 2626.8,3652.4 ; 2626.8,3654.8 2626.8,3698 ; 2626.8,3700.4 2626.8,3731.6 ; 2627.4,3476 2627.4,3480.8 ; 2627.4,3485.6 2627.4,3499.4 ; 2627.4,3500 2627.4,3535.4 ; 2627.4,3536.6 2627.4,3545.6 ; 2627.4,3548 2627.4,3552.2 ; 2627.4,3645.8 2627.4,3652.4 ; 2627.4,3654.2 2627.4,3699.2 ; 2627.4,3702.2 2627.4,3731 ; 2628,3476 2628,3481.4 ; 2628,3487.4 2628,3498.2 ; 2628,3500 2628,3535.4 ; 2628,3536.6 2628,3545.6 ; 2628,3548 2628,3552.8 ; 2628,3645.8 2628,3652.4 ; 2628,3654.2 2628,3666.8 ; 2628,3667.4 2628,3701 ; 2628,3703.4 2628,3704 ; 2628,3704.6 2628,3731 ; 2628.6,3475.4 2628.6,3481.4 ; 2628.6,3488 2628.6,3497.6 ; 2628.6,3500 2628.6,3535.4 ; 2628.6,3537.2 2628.6,3546.2 ; 2628.6,3548 2628.6,3552.8 ; 2628.6,3645.2 2628.6,3651.8 ; 2628.6,3654.2 2628.6,3664.4 ; 2628.6,3666.8 2628.6,3702.8 ; 2628.6,3705.2 2628.6,3731 ; 2629.2,3475.4 2629.2,3481.4 ; 2629.2,3482.6 2629.2,3485.6 ; 2629.2,3487.4 2629.2,3497 ; 2629.2,3500 2629.2,3535.4 ; 2629.2,3538.4 2629.2,3546.2 ; 2629.2,3548 2629.2,3553.4 ; 2629.2,3645.2 2629.2,3649.4 ; 2629.2,3650 2629.2,3651.8 ; 2629.2,3653.6 2629.2,3662.6 ; 2629.2,3665 2629.2,3667.4 ; 2629.2,3668 2629.2,3704.6 ; 2629.2,3707 2629.2,3730.4 ; 2629.8,3474.8 2629.8,3481.4 ; 2629.8,3482.6 2629.8,3485.6 ; 2629.8,3487.4 2629.8,3496.4 ; 2629.8,3500 2629.8,3536 ; 2629.8,3539 2629.8,3546.2 ; 2629.8,3548 2629.8,3553.4 ; 2629.8,3644.6 2629.8,3651.8 ; 2629.8,3653.6 2629.8,3660.8 ; 2629.8,3665 2629.8,3706.4 ; 2629.8,3708.8 2629.8,3730.4 ; 2630.4,3474.8 2630.4,3481.4 ; 2630.4,3482 2630.4,3485.6 ; 2630.4,3487.4 2630.4,3496.4 ; 2630.4,3500 2630.4,3536 ; 2630.4,3539.6 2630.4,3546.2 ; 2630.4,3548 2630.4,3553.4 ; 2630.4,3644.6 2630.4,3648.8 ; 2630.4,3649.4 2630.4,3651.2 ; 2630.4,3653.6 2630.4,3659 ; 2630.4,3663.8 2630.4,3669.2 ; 2630.4,3669.8 2630.4,3707.6 ; 2630.4,3710 2630.4,3729.8 ; 2631,3474.2 2631,3475.4 ; 2631,3476 2631,3481.4 ; 2631,3482 2631,3485.6 ; 2631,3487.4 2631,3496.4 ; 2631,3500 2631,3536.6 ; 2631,3540.8 2631,3546.2 ; 2631,3548 2631,3554 ; 2631,3644 2631,3651.2 ; 2631,3653 2631,3657.2 ; 2631,3663.2 2631,3669.2 ; 2631,3670.4 2631,3709.4 ; 2631,3711.8 2631,3729.8 ; 2631.6,3474.2 2631.6,3485.6 ; 2631.6,3488 2631.6,3497 ; 2631.6,3500 2631.6,3537.2 ; 2631.6,3541.4 2631.6,3546.8 ; 2631.6,3548 2631.6,3554 ; 2631.6,3644 2631.6,3651.2 ; 2631.6,3653 2631.6,3656.6 ; 2631.6,3662.6 2631.6,3711.2 ; 2631.6,3713 2631.6,3729.2 ; 2632.2,3474.2 2632.2,3476 ; 2632.2,3476.6 2632.2,3485.6 ; 2632.2,3487.4 2632.2,3497 ; 2632.2,3499.4 2632.2,3506 ; 2632.2,3506.6 2632.2,3522.8 ; 2632.2,3523.4 2632.2,3537.2 ; 2632.2,3542 2632.2,3546.8 ; 2632.2,3548 2632.2,3554 ; 2632.2,3644 2632.2,3650.6 ; 2632.2,3653 2632.2,3656 ; 2632.2,3662.6 2632.2,3669.2 ; 2632.2,3669.8 2632.2,3711.8 ; 2632.2,3715.4 2632.2,3728.6 ; 2632.8,3474.2 2632.8,3485.6 ; 2632.8,3487.4 2632.8,3497 ; 2632.8,3499.4 2632.8,3505.4